# Altium PCB cPCIs_controller.pcbdoc (part 1 of 4)
Units mil, origin at the board's own origin, x right, y up, seen from the top; angles counter-clockwise.
Board outline 8662.94 x 3937.01 mil, 12 copper layers (Top Layer, L2GND, L3, L4GND, L5, L6GND, L7PWR, L8, L9GND, L10, L11GND, Bottom Layer), stack 81.88 mil thick; 84 components, 277 nets, 1195 pads, 138 vias.
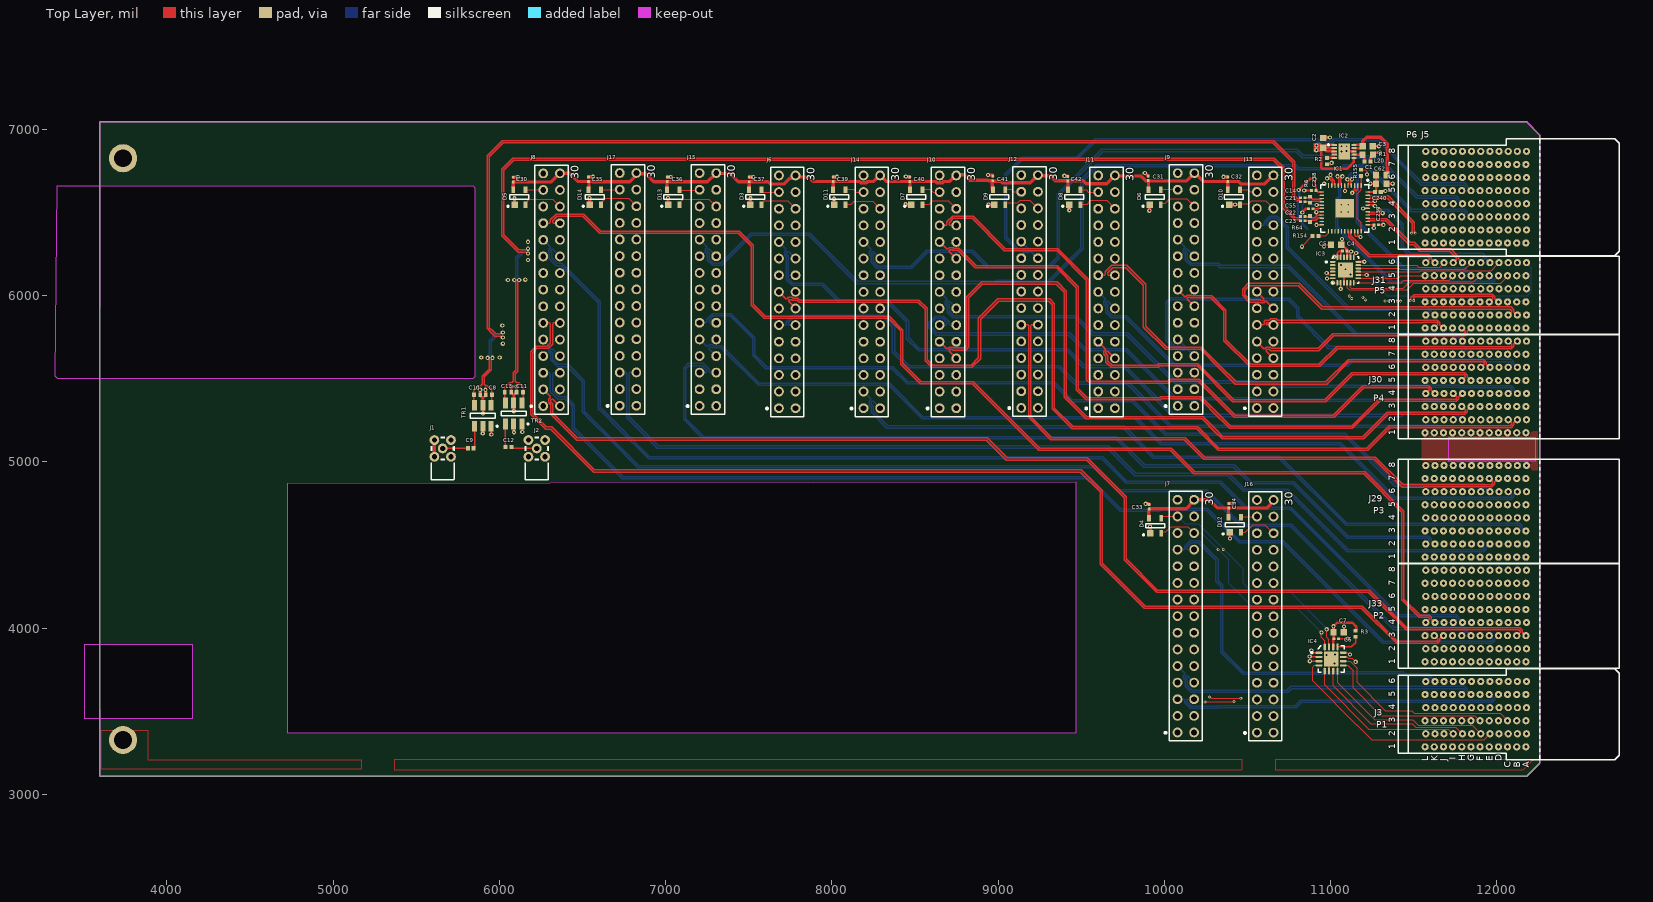
[diagram p0: Top Layer view]
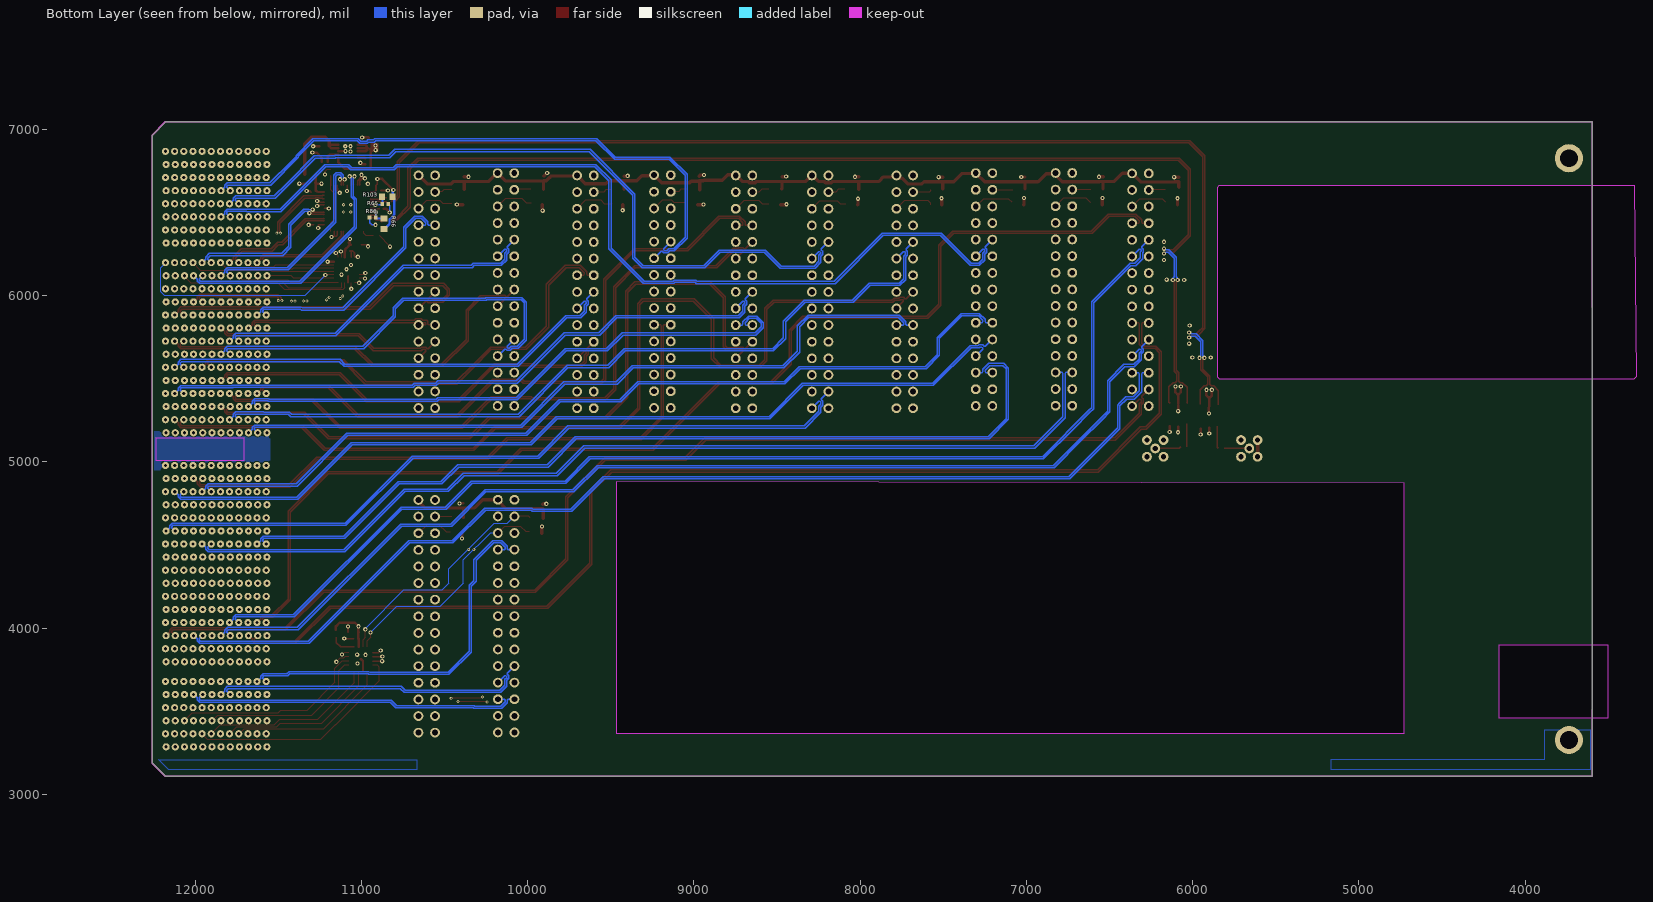
[diagram p1: Bottom Layer view, seen from below]
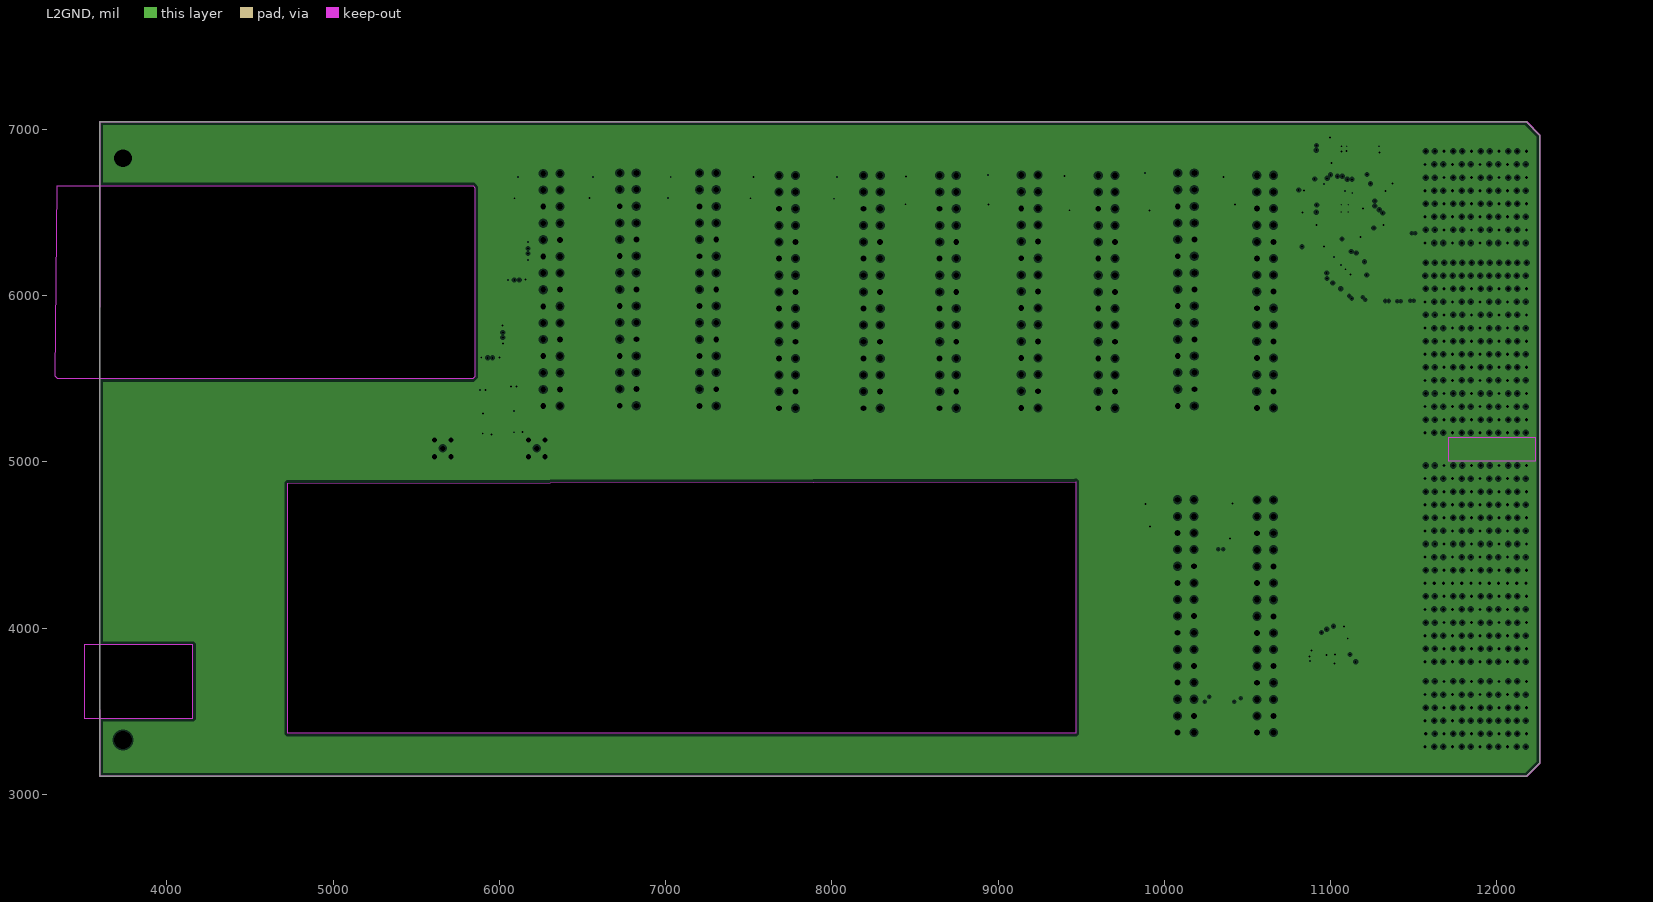
[diagram p2: L2GND, clearances drawn from the general rule]
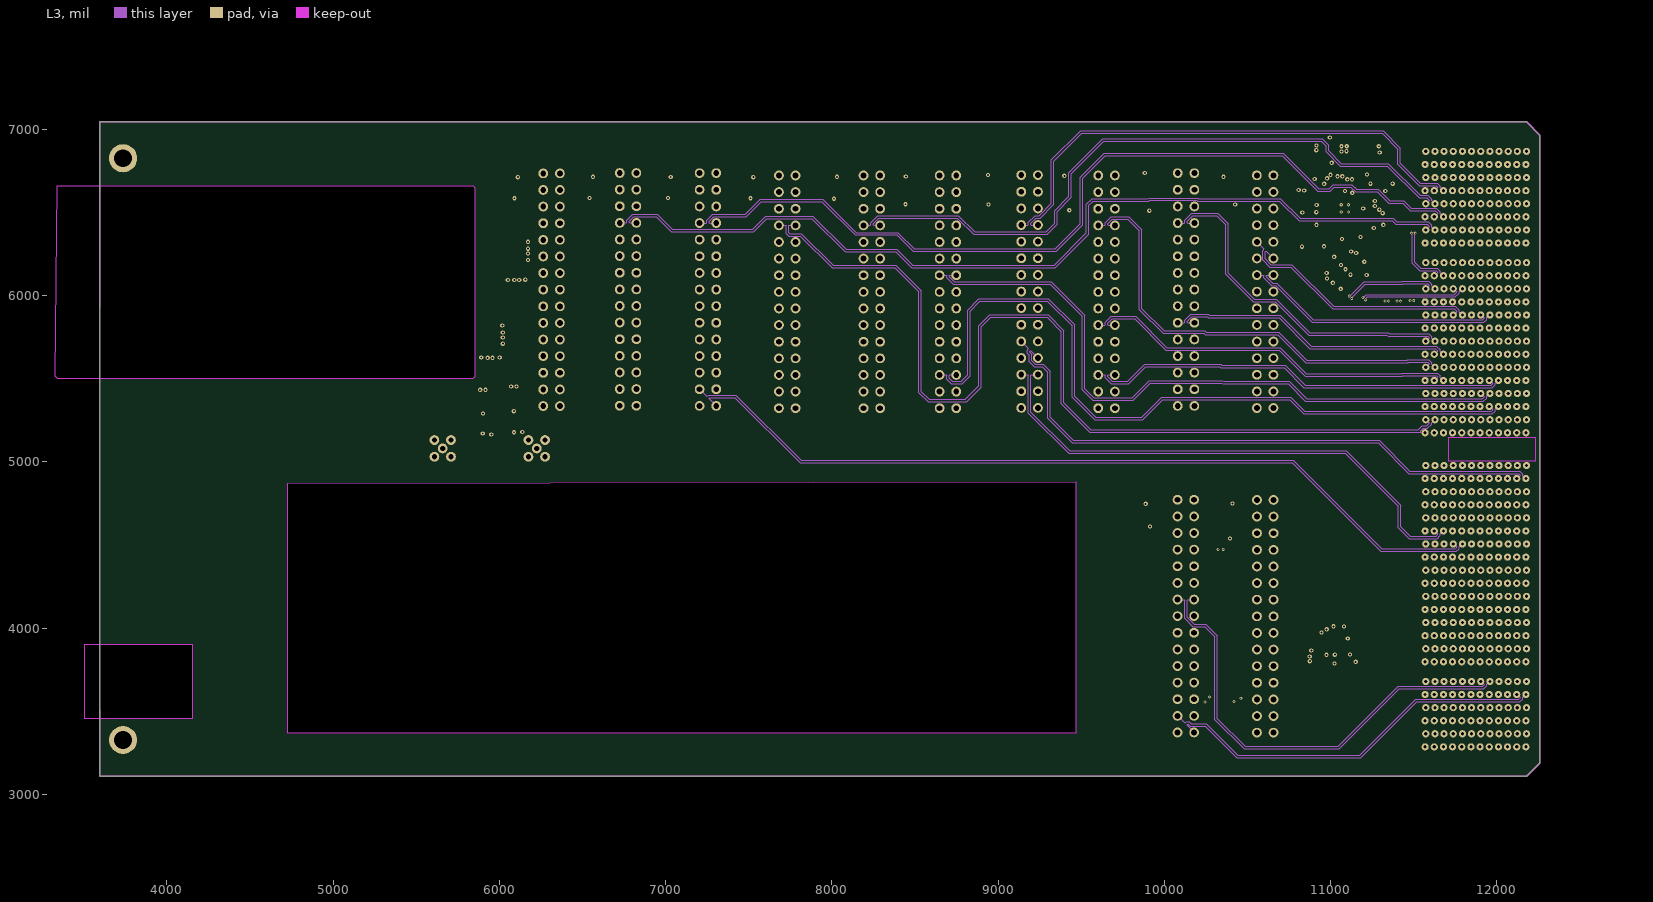
[diagram p3: L3]
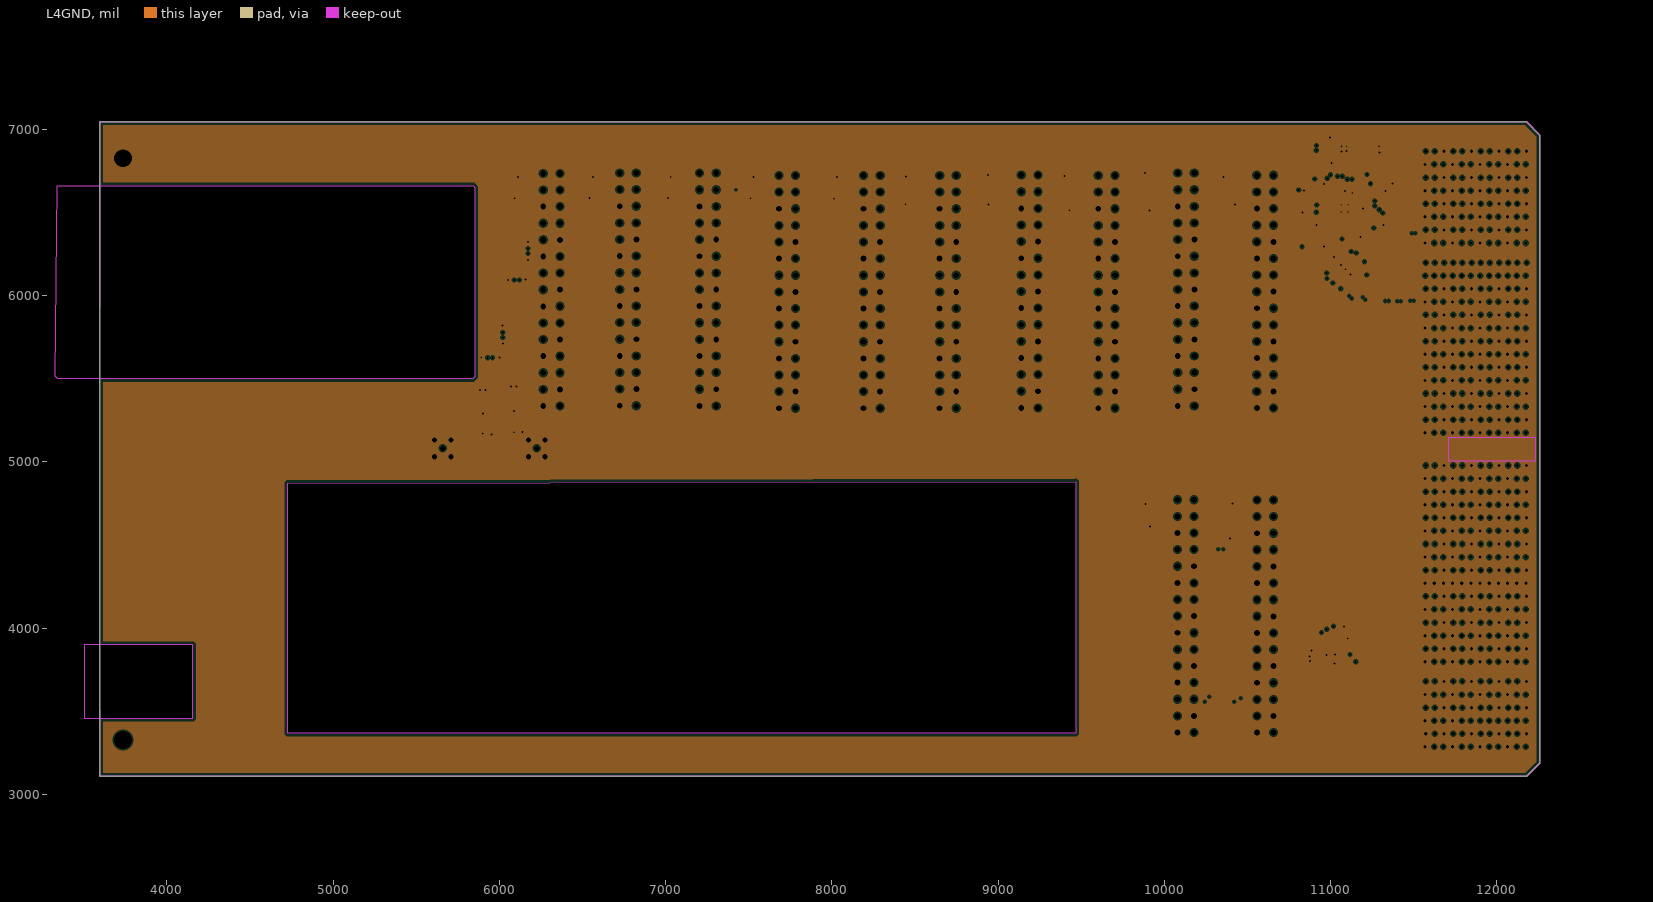
[diagram p4: L4GND, clearances drawn from the general rule]
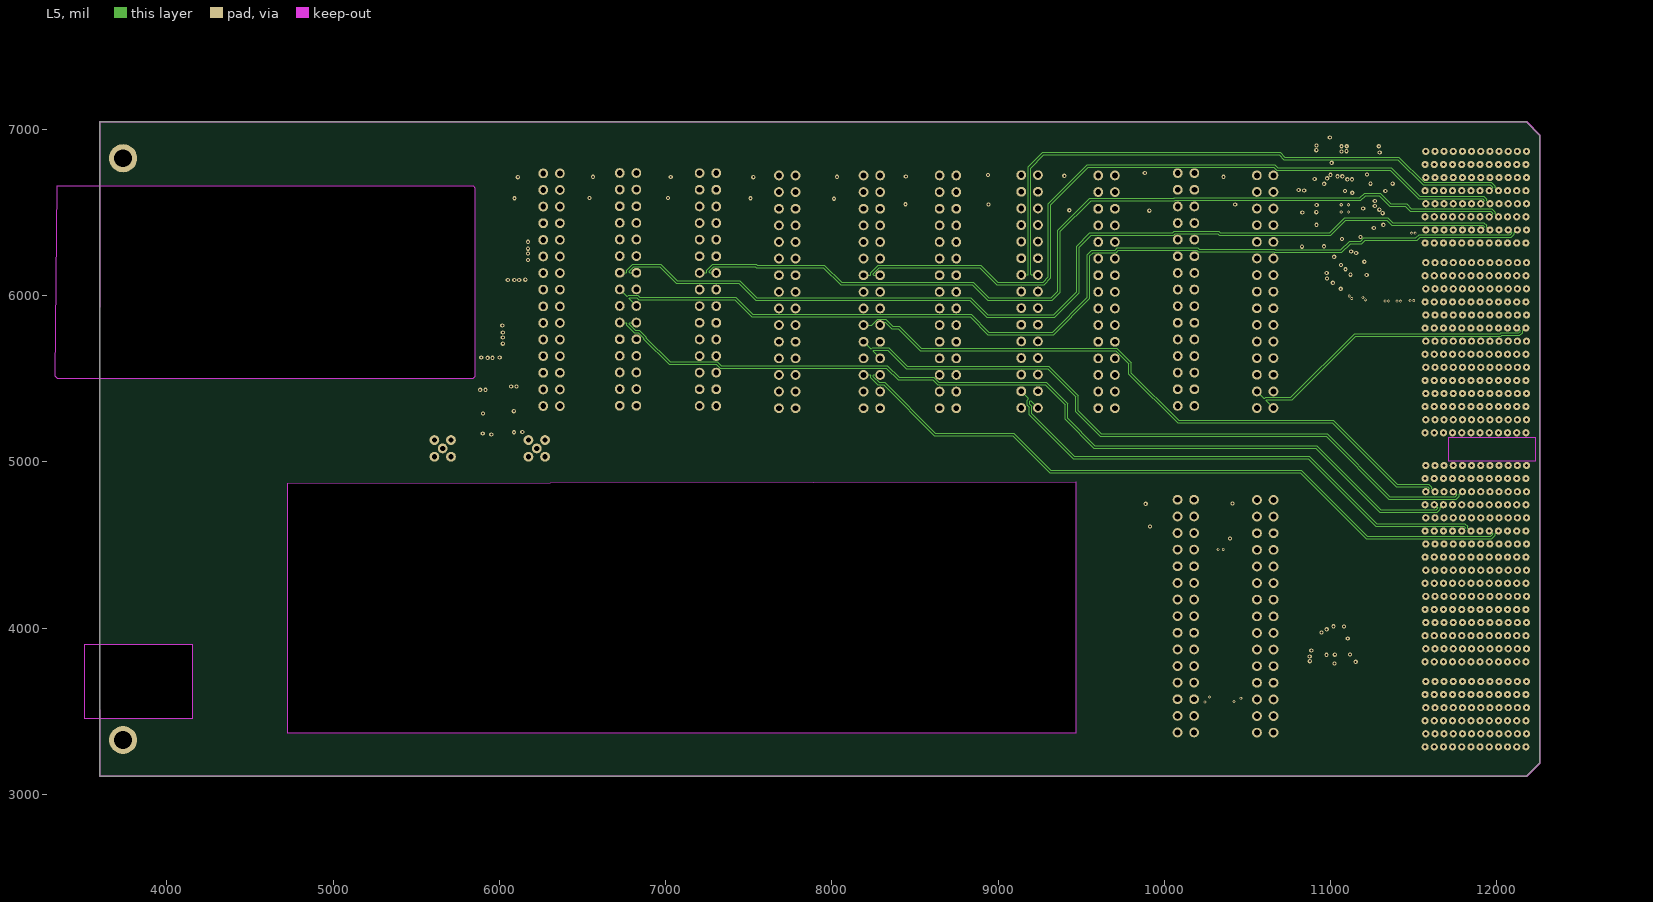
[diagram p5: L5]
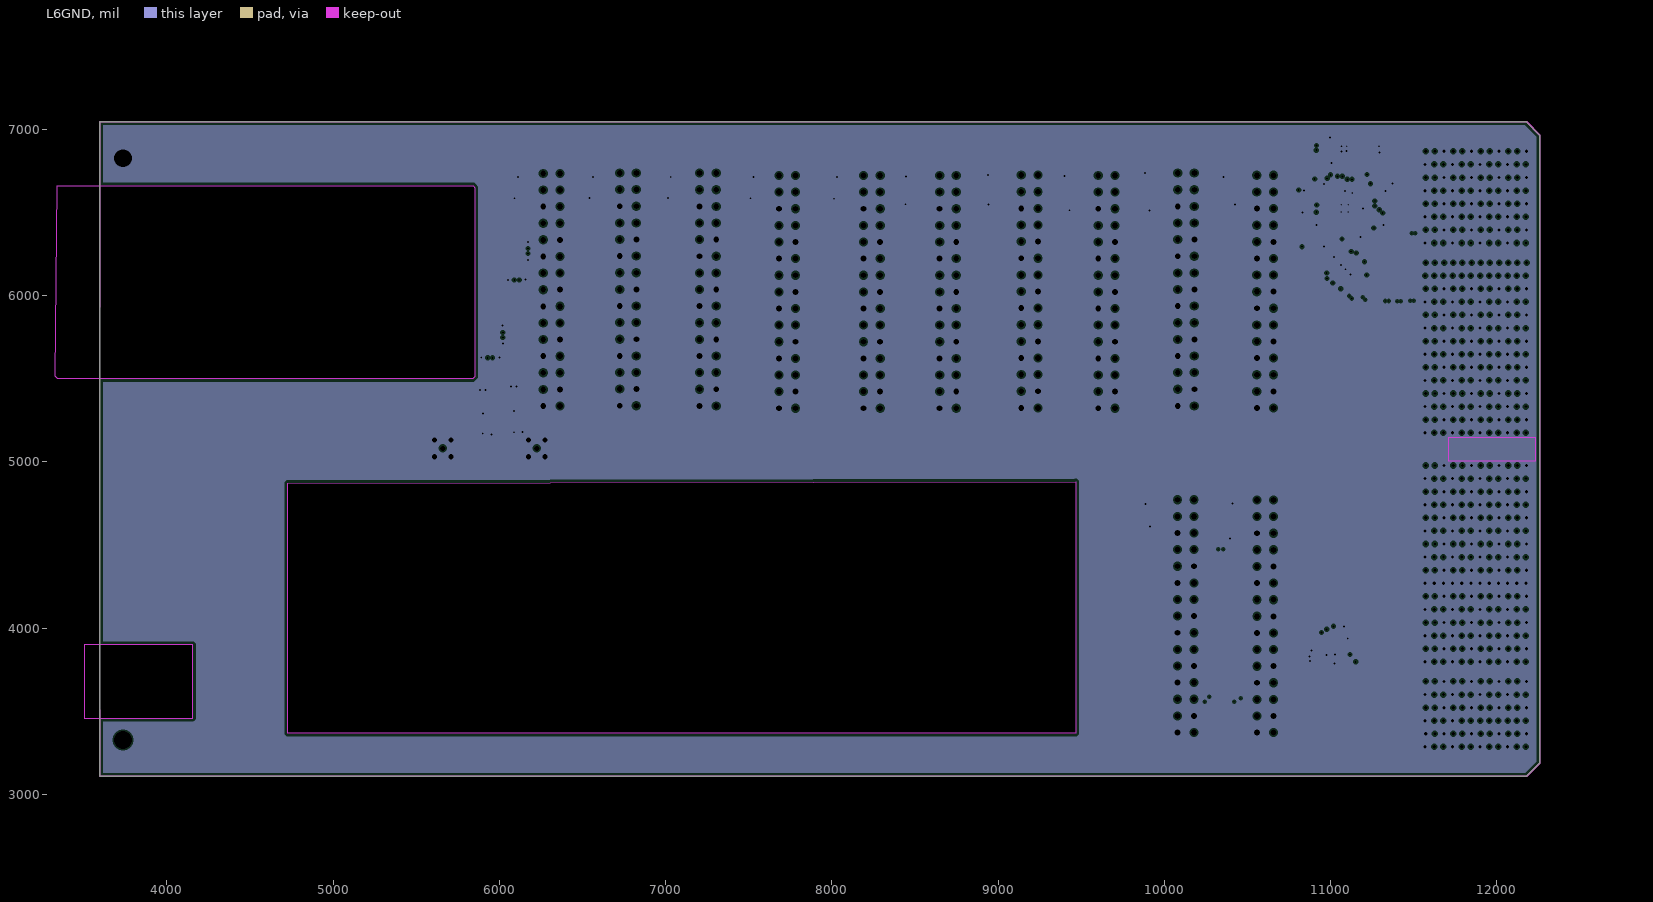
[diagram p6: L6GND, clearances drawn from the general rule]
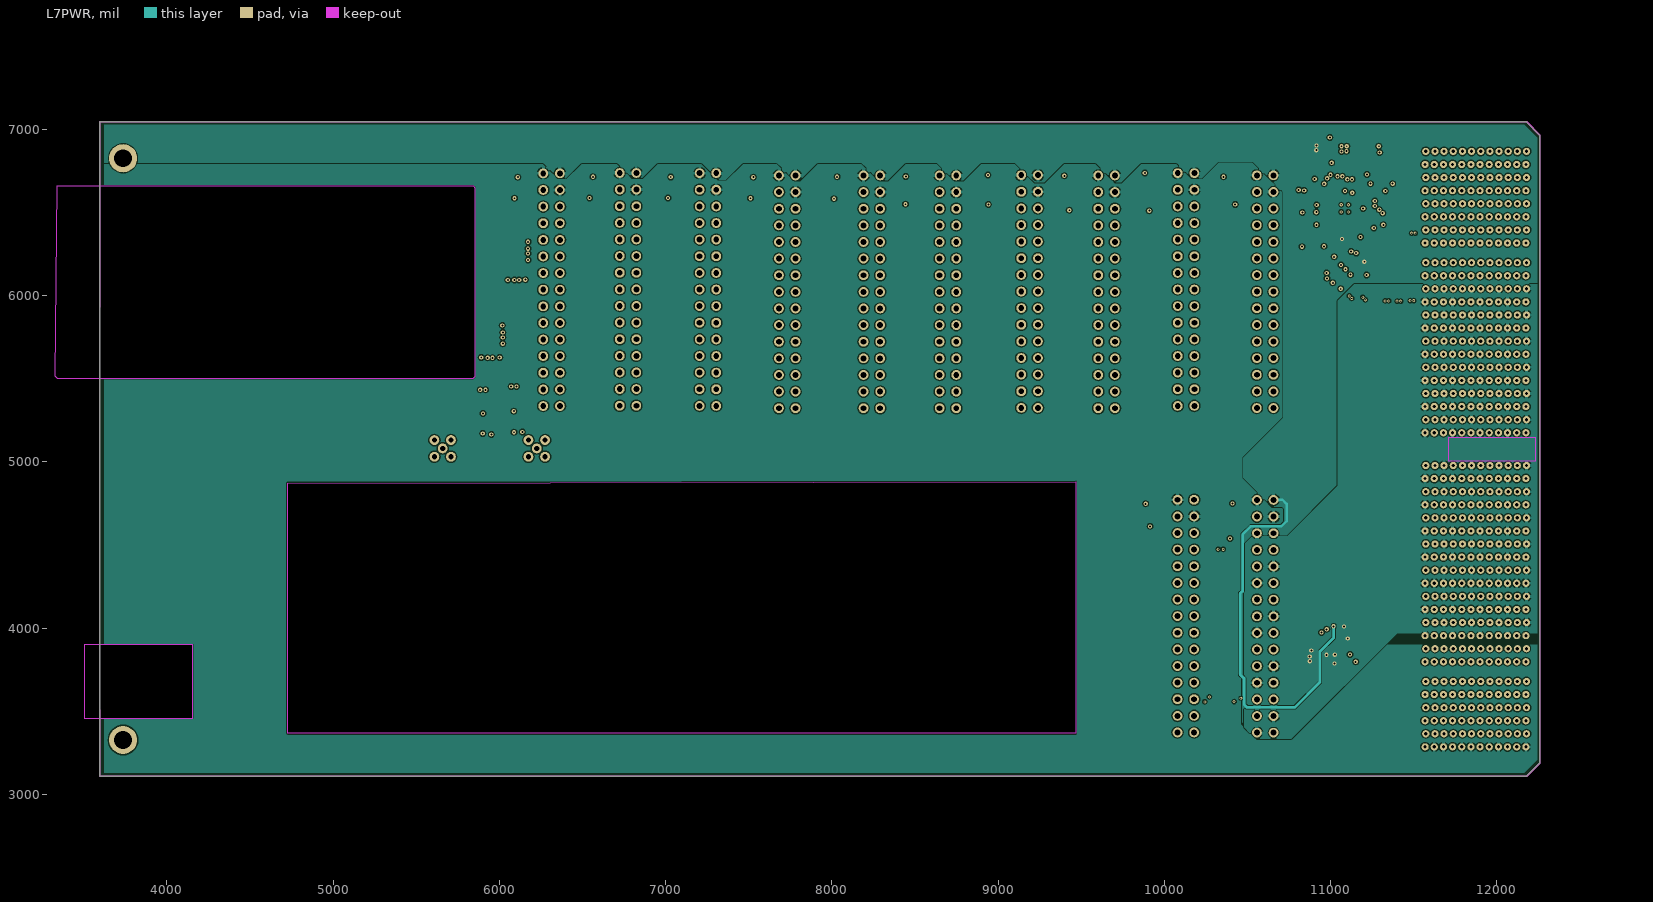
[diagram p7: L7PWR]